# Altium PCB dvrk-s-pwm.PcbDoc (part 5 of 5)
Units mm, origin at the board's own origin, x right, y up, seen from the top; angles counter-clockwise.
Board outline 124 x 180 mm, 4 copper layers (Component Side, Ground Plane, Power Plane, Solder Side), stack 1.584 mm thick; 325 components, 238 nets, 1291 pads, 758 vias.
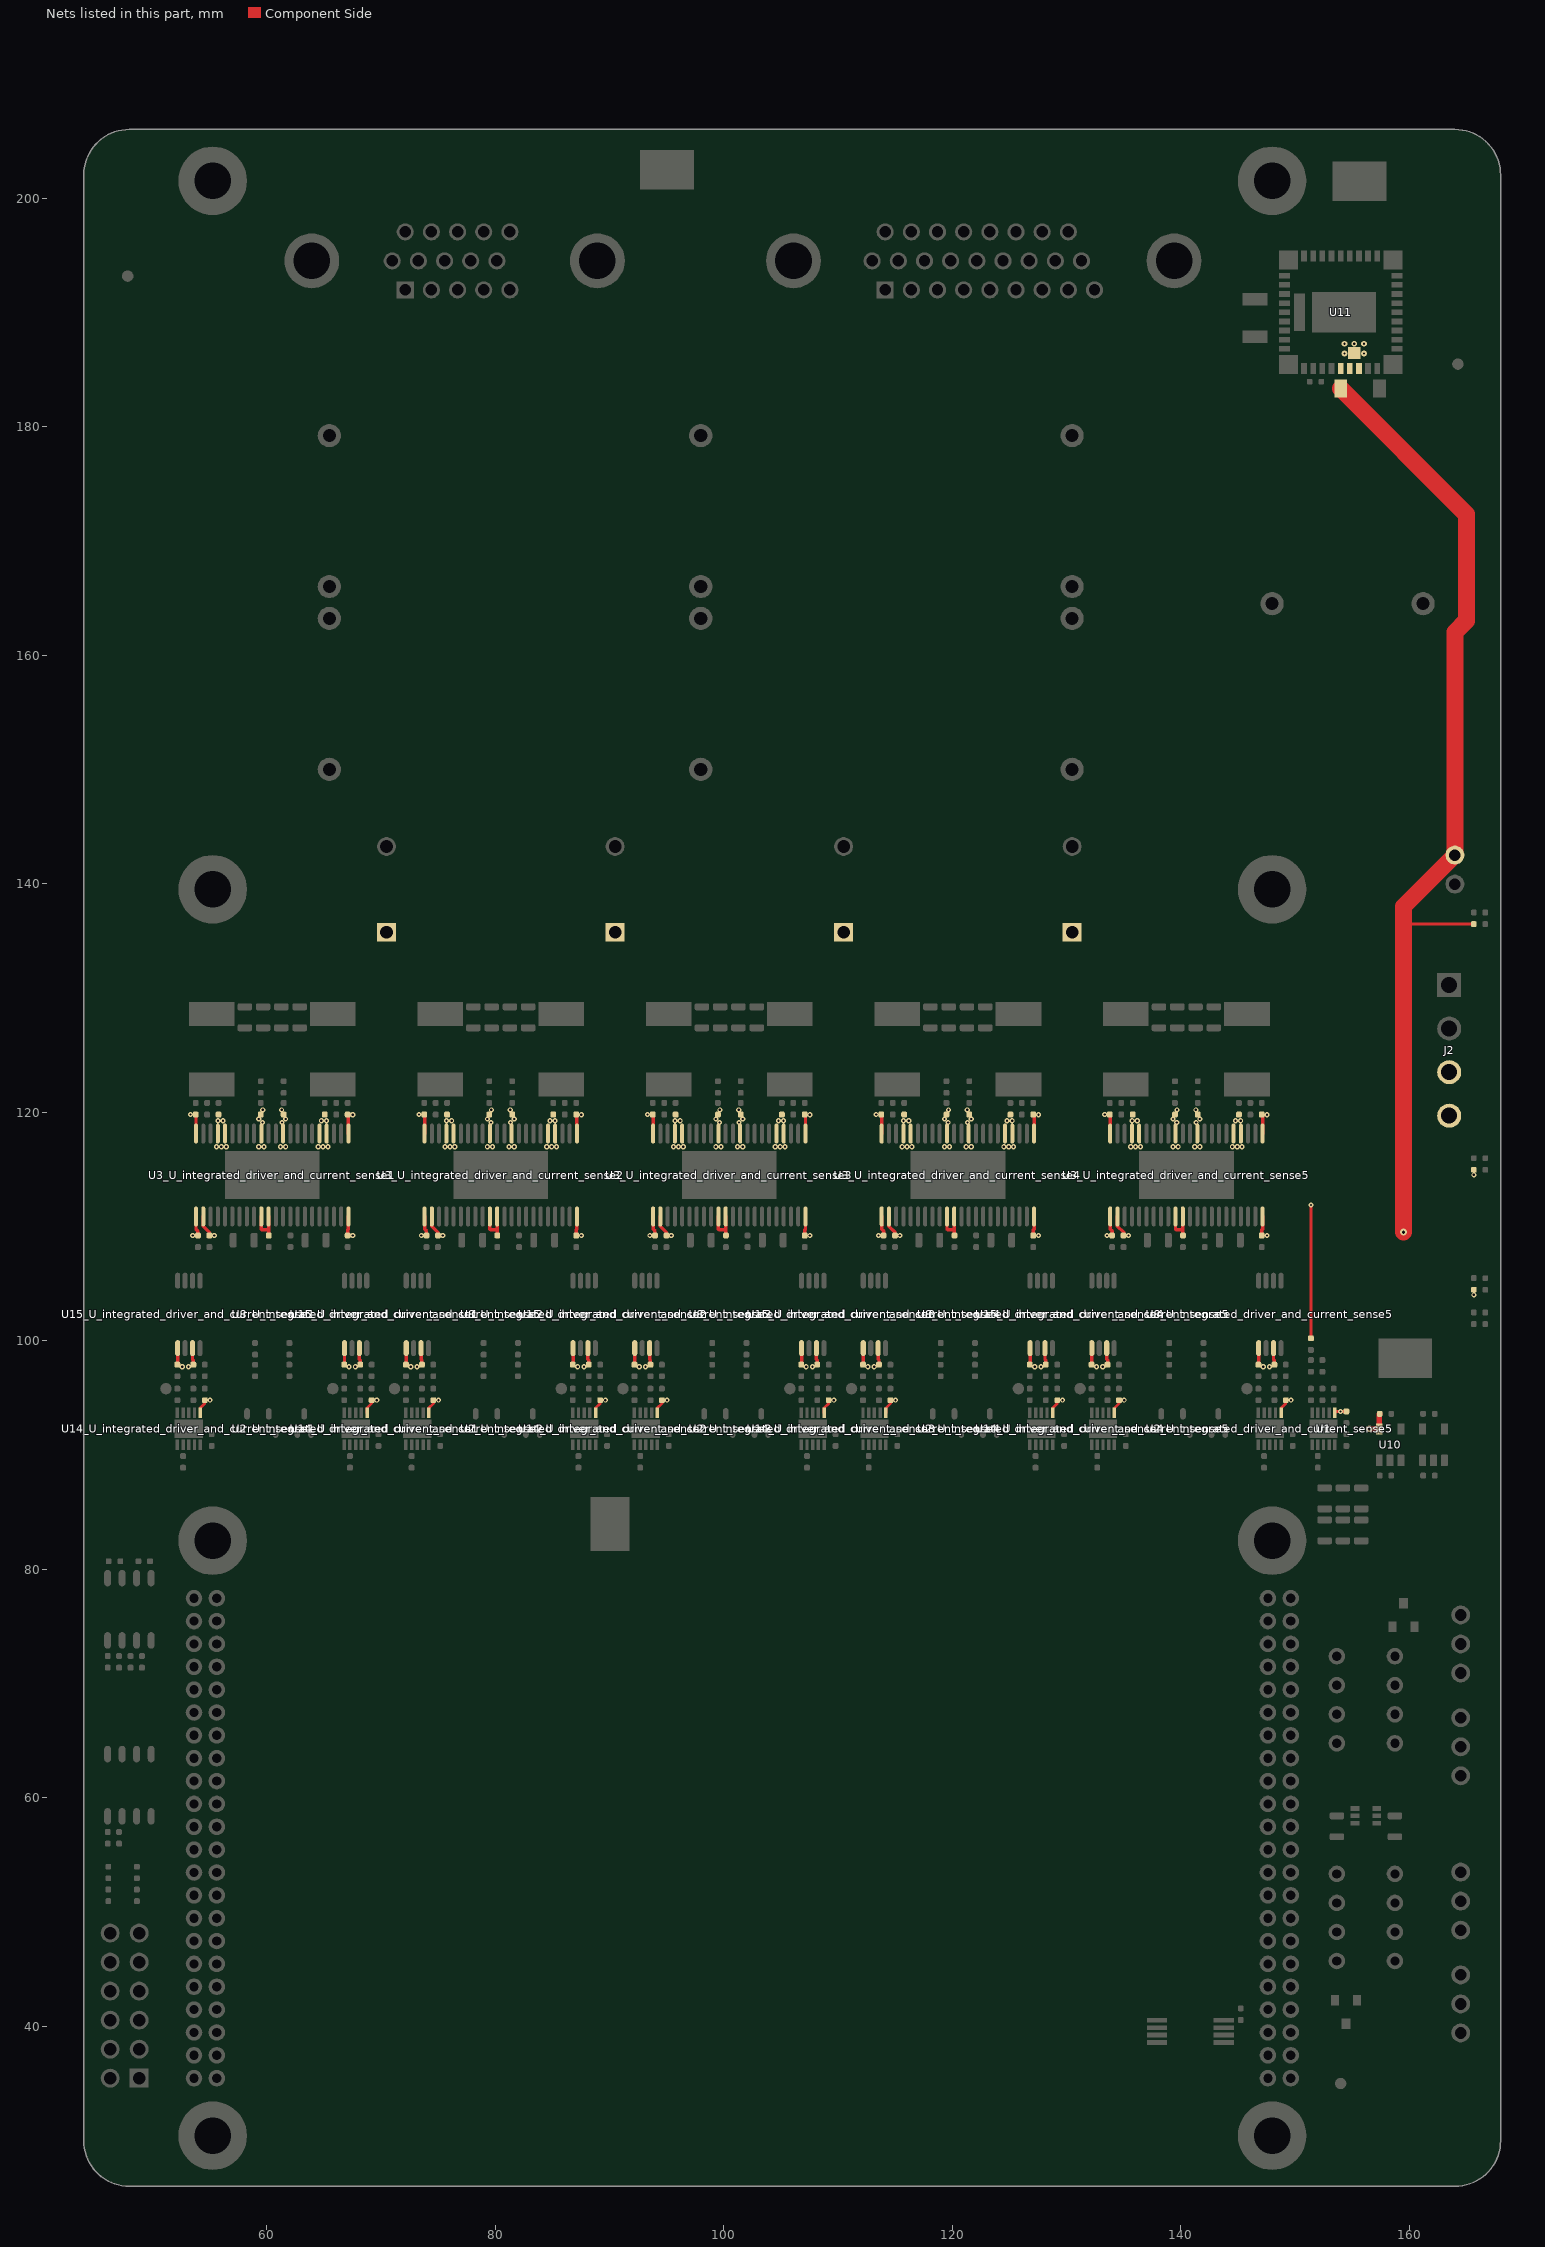
[diagram p7: the nets of this part, all layers, seen from the top]

## Via types
v1: diameter 0.45, hole 0.2, Component Side to Solder Side, tented both sides, 535 vias
v2: diameter 0.5, hole 0.2, Component Side to Solder Side, 186 vias
v3: diameter 1, hole 0.6, Component Side to Solder Side, tented both sides, 34 vias
v4: diameter 0.6, hole 0.3, Component Side to Solder Side, tented both sides, 3 vias

## Nets (pads, with @x,y where several pads share a name; then routed paths per layer and width w, separated by ;. In a path a pad name is that pad's centre, name@x,y a point inside that pad or via, vN(x,y) a via of type N, cw(c..) or ccw(c..) an arc to the next point about the centre after c; other vN are vias at no path point) (continued)
VDD12: C16_U_integrated_driver_and_current_sense1.1 C16_U_integrated_driver_and_current_sense2.1 C16_U_integrated_driver_and_current_sense3.1 C16_U_integrated_driver_and_current_sense4.1 C16_U_integrated_driver_and_current_sense5.1 C17_U_integrated_driver_and_current_sense1.1 C17_U_integrated_driver_and_current_sense2.1 C17_U_integrated_driver_and_current_sense3.1 C17_U_integrated_driver_and_current_sense4.1 C17_U_integrated_driver_and_current_sense5.1 C18_U_integrated_driver_and_current_sense1.1 C18_U_integrated_driver_and_current_sense2.1 C18_U_integrated_driver_and_current_sense3.1 C18_U_integrated_driver_and_current_sense4.1 C18_U_integrated_driver_and_current_sense5.1 C19_U_integrated_driver_and_current_sense1.1 C19_U_integrated_driver_and_current_sense2.1 C19_U_integrated_driver_and_current_sense3.1 C19_U_integrated_driver_and_current_sense4.1 C19_U_integrated_driver_and_current_sense5.1 C20_U_integrated_driver_and_current_sense1.1 C20_U_integrated_driver_and_current_sense2.1 C20_U_integrated_driver_and_current_sense3.1 C20_U_integrated_driver_and_current_sense4.1 C20_U_integrated_driver_and_current_sense5.1 C36.1 J3.1 R30.2 U3_U_integrated_driver_and_current_sense1.1 U3_U_integrated_driver_and_current_sense1.2 U3_U_integrated_driver_and_current_sense1.22 U3_U_integrated_driver_and_current_sense1.23 U3_U_integrated_driver_and_current_sense1.44 U3_U_integrated_driver_and_current_sense2.1 U3_U_integrated_driver_and_current_sense2.2 U3_U_integrated_driver_and_current_sense2.22 U3_U_integrated_driver_and_current_sense2.23 U3_U_integrated_driver_and_current_sense2.44 U3_U_integrated_driver_and_current_sense3.1 U3_U_integrated_driver_and_current_sense3.2 U3_U_integrated_driver_and_current_sense3.22 U3_U_integrated_driver_and_current_sense3.23 U3_U_integrated_driver_and_current_sense3.44 U3_U_integrated_driver_and_current_sense4.1 U3_U_integrated_driver_and_current_sense4.2 U3_U_integrated_driver_and_current_sense4.22 U3_U_integrated_driver_and_current_sense4.23 U3_U_integrated_driver_and_current_sense4.44 U3_U_integrated_driver_and_current_sense5.1 U3_U_integrated_driver_and_current_sense5.2 U3_U_integrated_driver_and_current_sense5.22 U3_U_integrated_driver_and_current_sense5.23 U3_U_integrated_driver_and_current_sense5.44 U11.26 U11.27 U11.28 U11.42 | length 130.3
  Component Side w0.25: 159.5,136.465 159.508,136.457 R30.2@165.655,136.457
  Component Side w0.3: C18_U_integrated_driver_and_current_sense1.1@53.8,119.792 53.833,119.76 U3_U_integrated_driver_and_current_sense1.44@53.833,118.125 ; U3_U_integrated_driver_and_current_sense1.1@53.833,110.875 53.833,109.767 54,109.6 C16_U_integrated_driver_and_current_sense1.1@54,109.208 ; U3_U_integrated_driver_and_current_sense1.2@54.468,110.875 54.468,110.032 55,109.5 C20_U_integrated_driver_and_current_sense1.1@55,109.208 ; C17_U_integrated_driver_and_current_sense1.1@67.1,109.208 67.1,109.7 67.168,109.767 U3_U_integrated_driver_and_current_sense1.22@67.168,110.875 ; C19_U_integrated_driver_and_current_sense1.1@67.1,119.792 67.168,119.725 U3_U_integrated_driver_and_current_sense1.23@67.168,118.125 ; C18_U_integrated_driver_and_current_sense2.1@73.8,119.792 73.833,119.76 U3_U_integrated_driver_and_current_sense2.44@73.832,118.125 ; U3_U_integrated_driver_and_current_sense2.1@73.832,110.875 73.833,109.767 74,109.6 C16_U_integrated_driver_and_current_sense2.1@74,109.208 ; U3_U_integrated_driver_and_current_sense2.2@74.467,110.875 74.468,110.032 75,109.5 C20_U_integrated_driver_and_current_sense2.1@75,109.208 ; C17_U_integrated_driver_and_current_sense2.1@87.1,109.208 87.1,109.7 87.168,109.767 U3_U_integrated_driver_and_current_sense2.22@87.167,110.875 ; C19_U_integrated_driver_and_current_sense2.1@87.1,119.792 87.168,119.725 U3_U_integrated_driver_and_current_sense2.23@87.167,118.125 ; C18_U_integrated_driver_and_current_sense3.1@93.8,119.792 93.833,119.76 U3_U_integrated_driver_and_current_sense3.44@93.832,118.125 ; U3_U_integrated_driver_and_current_sense3.1@93.832,110.875 93.833,109.767 94,109.6 C16_U_integrated_driver_and_current_sense3.1@94,109.208 ; U3_U_integrated_driver_and_current_sense3.2@94.467,110.875 94.468,110.032 95,109.5 C20_U_integrated_driver_and_current_sense3.1@95,109.208 ; C17_U_integrated_driver_and_current_sense3.1@107.1,109.208 107.1,109.7 107.168,109.767 U3_U_integrated_driver_and_current_sense3.22@107.167,110.875 ; C19_U_integrated_driver_and_current_sense3.1@107.1,119.792 107.168,119.725 U3_U_integrated_driver_and_current_sense3.23@107.167,118.125 ; C18_U_integrated_driver_and_current_sense4.1@113.8,119.792 113.833,119.76 U3_U_integrated_driver_and_current_sense4.44@113.832,118.125 ; U3_U_integrated_driver_and_current_sense4.1@113.832,110.875 113.833,109.767 114,109.6 C16_U_integrated_driver_and_current_sense4.1@114,109.208 ; U3_U_integrated_driver_and_current_sense4.2@114.467,110.875 114.468,110.032 115,109.5 C20_U_integrated_driver_and_current_sense4.1@115,109.208 ; C17_U_integrated_driver_and_current_sense4.1@127.1,109.208 127.1,109.7 127.168,109.767 U3_U_integrated_driver_and_current_sense4.22@127.167,110.875 ; C19_U_integrated_driver_and_current_sense4.1@127.1,119.792 127.168,119.725 U3_U_integrated_driver_and_current_sense4.23@127.167,118.125 ; C18_U_integrated_driver_and_current_sense5.1@133.8,119.792 133.833,119.76 U3_U_integrated_driver_and_current_sense5.44@133.832,118.125 ; U3_U_integrated_driver_and_current_sense5.1@133.832,110.875 133.833,109.767 134,109.6 C16_U_integrated_driver_and_current_sense5.1@134,109.208 ; U3_U_integrated_driver_and_current_sense5.2@134.467,110.875 134.468,110.032 135,109.5 C20_U_integrated_driver_and_current_sense5.1@135,109.208 ; C17_U_integrated_driver_and_current_sense5.1@147.1,109.208 147.1,109.7 147.168,109.767 U3_U_integrated_driver_and_current_sense5.22@147.167,110.875 ; C19_U_integrated_driver_and_current_sense5.1@147.1,119.792 147.168,119.725 U3_U_integrated_driver_and_current_sense5.23@147.167,118.125
  Component Side w1.5: C36.1@154,183.325 165,172.325 165,163 164,162 J3.1@164,142.5 159.5,138 159.5,136.465 v4(159.5,109.5)
  other v1: 53.55,109.2 55.425,109.2 67.55,109.2 73.55,109.2 75.425,109.2 87.55,109.2 93.55,109.2 95.425,109.2 107.55,109.2 113.55,109.2 115.425,109.2 127.55,109.2 133.55,109.2 135.425,109.2 147.55,109.2 67.55,119.775 87.55,119.775 107.55,119.775 127.55,119.775 147.55,119.775 53.35,119.8 73.35,119.8 93.35,119.8 113.35,119.8 133.35,119.8
  other v2: 154.327,186.395 156.047,186.395 154.327,187.245 155.177,187.245 156.047,187.245
VDDA: C4.2 C5_U_integrated_driver_and_current_sense1.2 C5_U_integrated_driver_and_current_sense2.2 C5_U_integrated_driver_and_current_sense3.2 C5_U_integrated_driver_and_current_sense4.2 C5_U_integrated_driver_and_current_sense5.2 C9_U_integrated_driver_and_current_sense1.2 C9_U_integrated_driver_and_current_sense2.2 C9_U_integrated_driver_and_current_sense3.2 C9_U_integrated_driver_and_current_sense4.2 C9_U_integrated_driver_and_current_sense5.2 C10_U_integrated_driver_and_current_sense1.2 C10_U_integrated_driver_and_current_sense2.2 C10_U_integrated_driver_and_current_sense3.2 C10_U_integrated_driver_and_current_sense4.2 C10_U_integrated_driver_and_current_sense5.2 C29_U_integrated_driver_and_current_sense1.2 C29_U_integrated_driver_and_current_sense2.2 C29_U_integrated_driver_and_current_sense3.2 C29_U_integrated_driver_and_current_sense4.2 C29_U_integrated_driver_and_current_sense5.2 C35.2 C40_U_integrated_driver_and_current_sense1.2 C40_U_integrated_driver_and_current_sense2.2 C40_U_integrated_driver_and_current_sense3.2 C40_U_integrated_driver_and_current_sense4.2 C40_U_integrated_driver_and_current_sense5.2 C41_U_integrated_driver_and_current_sense1.2 C41_U_integrated_driver_and_current_sense2.2 C41_U_integrated_driver_and_current_sense3.2 C41_U_integrated_driver_and_current_sense4.2 C41_U_integrated_driver_and_current_sense5.2 R31.2 U1.1 U2_U_integrated_driver_and_current_sense1.1 U2_U_integrated_driver_and_current_sense2.1 U2_U_integrated_driver_and_current_sense3.1 U2_U_integrated_driver_and_current_sense4.1 U2_U_integrated_driver_and_current_sense5.1 U8_U_integrated_driver_and_current_sense1.5 U8_U_integrated_driver_and_current_sense1.7 U8_U_integrated_driver_and_current_sense2.5 U8_U_integrated_driver_and_current_sense2.7 U8_U_integrated_driver_and_current_sense3.5 U8_U_integrated_driver_and_current_sense3.7 U8_U_integrated_driver_and_current_sense4.5 U8_U_integrated_driver_and_current_sense4.7 U8_U_integrated_driver_and_current_sense5.5 U8_U_integrated_driver_and_current_sense5.7 U10.5 U14_U_integrated_driver_and_current_sense1.1 U14_U_integrated_driver_and_current_sense2.1 U14_U_integrated_driver_and_current_sense3.1 U14_U_integrated_driver_and_current_sense4.1 U14_U_integrated_driver_and_current_sense5.1 U15_U_integrated_driver_and_current_sense1.5 U15_U_integrated_driver_and_current_sense1.7 U15_U_integrated_driver_and_current_sense2.5 U15_U_integrated_driver_and_current_sense2.7 U15_U_integrated_driver_and_current_sense3.5 U15_U_integrated_driver_and_current_sense3.7 U15_U_integrated_driver_and_current_sense4.5 U15_U_integrated_driver_and_current_sense4.7 U15_U_integrated_driver_and_current_sense5.5 U15_U_integrated_driver_and_current_sense5.7 | length 45.1
  Component Side w0.25: U14_U_integrated_driver_and_current_sense1.1@54.2,93.702 54.2,94.1 54.6,94.5 C40_U_integrated_driver_and_current_sense1.2@54.6,94.792 ; U2_U_integrated_driver_and_current_sense1.1@68.8,93.702 68.8,94.1 69.2,94.5 C9_U_integrated_driver_and_current_sense1.2@69.2,94.792 ; U14_U_integrated_driver_and_current_sense2.1@74.2,93.702 74.2,94.1 74.6,94.5 C40_U_integrated_driver_and_current_sense2.2@74.6,94.792 ; U2_U_integrated_driver_and_current_sense2.1@88.8,93.702 88.8,94.1 89.2,94.5 C9_U_integrated_driver_and_current_sense2.2@89.2,94.792 ; U14_U_integrated_driver_and_current_sense3.1@94.2,93.702 94.2,94.1 94.6,94.5 C40_U_integrated_driver_and_current_sense3.2@94.6,94.792 ; U2_U_integrated_driver_and_current_sense3.1@108.8,93.702 108.8,94.1 109.2,94.5 C9_U_integrated_driver_and_current_sense3.2@109.2,94.792 ; U14_U_integrated_driver_and_current_sense4.1@114.2,93.702 114.2,94.1 114.6,94.5 C40_U_integrated_driver_and_current_sense4.2@114.6,94.792 ; U2_U_integrated_driver_and_current_sense4.1@128.8,93.702 128.8,94.1 129.2,94.5 C9_U_integrated_driver_and_current_sense4.2@129.2,94.792 ; U14_U_integrated_driver_and_current_sense5.1@134.2,93.702 134.2,94.1 134.6,94.5 C40_U_integrated_driver_and_current_sense5.2@134.6,94.792 ; U2_U_integrated_driver_and_current_sense5.1@148.8,93.702 148.8,94.1 149.2,94.5 C9_U_integrated_driver_and_current_sense5.2@149.2,94.792
  Component Side w0.3: C29_U_integrated_driver_and_current_sense1.2@52.2,97.908 52.225,97.933 U15_U_integrated_driver_and_current_sense1.5@52.225,99.35 ; U15_U_integrated_driver_and_current_sense1.7@53.525,99.35 53.525,98.375 53.6,98.3 C41_U_integrated_driver_and_current_sense1.2@53.6,97.908 ; C5_U_integrated_driver_and_current_sense1.2@66.8,97.908 66.825,97.933 U8_U_integrated_driver_and_current_sense1.5@66.825,99.35 ; U8_U_integrated_driver_and_current_sense1.7@68.125,99.35 68.125,98.375 68.2,98.3 C10_U_integrated_driver_and_current_sense1.2@68.2,97.908 ; C29_U_integrated_driver_and_current_sense2.2@72.2,97.908 72.225,97.933 U15_U_integrated_driver_and_current_sense2.5@72.225,99.35 ; U15_U_integrated_driver_and_current_sense2.7@73.525,99.35 73.525,98.375 73.6,98.3 C41_U_integrated_driver_and_current_sense2.2@73.6,97.908 ; C5_U_integrated_driver_and_current_sense2.2@86.8,97.908 86.825,97.933 U8_U_integrated_driver_and_current_sense2.5@86.825,99.35 ; U8_U_integrated_driver_and_current_sense2.7@88.125,99.35 88.125,98.375 88.2,98.3 C10_U_integrated_driver_and_current_sense2.2@88.2,97.908 ; C29_U_integrated_driver_and_current_sense3.2@92.2,97.908 92.225,97.933 U15_U_integrated_driver_and_current_sense3.5@92.225,99.35 ; U15_U_integrated_driver_and_current_sense3.7@93.525,99.35 93.525,98.375 93.6,98.3 C41_U_integrated_driver_and_current_sense3.2@93.6,97.908 ; C5_U_integrated_driver_and_current_sense3.2@106.8,97.908 106.825,97.933 U8_U_integrated_driver_and_current_sense3.5@106.825,99.35 ; U8_U_integrated_driver_and_current_sense3.7@108.125,99.35 108.125,98.375 108.2,98.3 C10_U_integrated_driver_and_current_sense3.2@108.2,97.908 ; C29_U_integrated_driver_and_current_sense4.2@112.2,97.908 112.225,97.933 U15_U_integrated_driver_and_current_sense4.5@112.225,99.35 ; U15_U_integrated_driver_and_current_sense4.7@113.525,99.35 113.525,98.375 113.6,98.3 C41_U_integrated_driver_and_current_sense4.2@113.6,97.908 ; C5_U_integrated_driver_and_current_sense4.2@126.8,97.908 126.825,97.933 U8_U_integrated_driver_and_current_sense4.5@126.825,99.35 ; U8_U_integrated_driver_and_current_sense4.7@128.125,99.35 128.125,98.375 128.2,98.3 C10_U_integrated_driver_and_current_sense4.2@128.2,97.908 ; C29_U_integrated_driver_and_current_sense5.2@132.2,97.908 132.225,97.933 U15_U_integrated_driver_and_current_sense5.5@132.225,99.35 ; U15_U_integrated_driver_and_current_sense5.7@133.525,99.35 133.525,98.375 133.6,98.3 C41_U_integrated_driver_and_current_sense5.2@133.6,97.908 ; C5_U_integrated_driver_and_current_sense5.2@146.8,97.908 146.825,97.933 U8_U_integrated_driver_and_current_sense5.5@146.825,99.35 ; U8_U_integrated_driver_and_current_sense5.7@148.125,99.35 148.125,98.375 148.2,98.3 C10_U_integrated_driver_and_current_sense5.2@148.2,97.908 ; U1.1@153.5,93.702 153.606,93.808 v1(153.983,93.808) C4.2@154.5,93.808
  Component Side w0.5: v4(156.525,92.3) 157.35,92.3 U10.5@157.375,92.275 157.375,93.558 C35.2@157.417,93.6
  other v1: 55.05,94.8 69.65,94.8 75.05,94.8 89.65,94.8 95.05,94.8 109.65,94.8 115.05,94.8 129.65,94.8 135.05,94.8 149.65,94.8 52.625,97.725 53.175,97.725 67.225,97.725 67.775,97.725 72.625,97.725 73.175,97.725 87.225,97.725 87.775,97.725 92.625,97.725 93.175,97.725 107.225,97.725 107.775,97.725 112.625,97.725 113.175,97.725 127.225,97.725 127.775,97.725 132.625,97.725 133.175,97.725 147.225,97.725 147.775,97.725 165.655,104.015
VM: C21_U_integrated_driver_and_current_sense1.1 C21_U_integrated_driver_and_current_sense2.1 C21_U_integrated_driver_and_current_sense3.1 C21_U_integrated_driver_and_current_sense4.1 C21_U_integrated_driver_and_current_sense5.1 C22_U_integrated_driver_and_current_sense1.1 C22_U_integrated_driver_and_current_sense2.1 C22_U_integrated_driver_and_current_sense3.1 C22_U_integrated_driver_and_current_sense4.1 C22_U_integrated_driver_and_current_sense5.1 C23_U_integrated_driver_and_current_sense1.1 C23_U_integrated_driver_and_current_sense2.1 C23_U_integrated_driver_and_current_sense3.1 C23_U_integrated_driver_and_current_sense4.1 C23_U_integrated_driver_and_current_sense5.1 C24_U_integrated_driver_and_current_sense1.1 C24_U_integrated_driver_and_current_sense2.1 C24_U_integrated_driver_and_current_sense3.1 C24_U_integrated_driver_and_current_sense4.1 C24_U_integrated_driver_and_current_sense5.1 C42.1 C43.1 C44.1 C45.1 J2.3 J2.4 R9.2 R29.2 U3_U_integrated_driver_and_current_sense1.26 U3_U_integrated_driver_and_current_sense1.27 U3_U_integrated_driver_and_current_sense1.32 U3_U_integrated_driver_and_current_sense1.35 U3_U_integrated_driver_and_current_sense1.40 U3_U_integrated_driver_and_current_sense1.41 U3_U_integrated_driver_and_current_sense2.26 U3_U_integrated_driver_and_current_sense2.27 U3_U_integrated_driver_and_current_sense2.32 U3_U_integrated_driver_and_current_sense2.35 U3_U_integrated_driver_and_current_sense2.40 U3_U_integrated_driver_and_current_sense2.41 U3_U_integrated_driver_and_current_sense3.26 U3_U_integrated_driver_and_current_sense3.27 U3_U_integrated_driver_and_current_sense3.32 U3_U_integrated_driver_and_current_sense3.35 U3_U_integrated_driver_and_current_sense3.40 U3_U_integrated_driver_and_current_sense3.41 U3_U_integrated_driver_and_current_sense4.26 U3_U_integrated_driver_and_current_sense4.27 U3_U_integrated_driver_and_current_sense4.32 U3_U_integrated_driver_and_current_sense4.35 U3_U_integrated_driver_and_current_sense4.40 U3_U_integrated_driver_and_current_sense4.41 U3_U_integrated_driver_and_current_sense5.26 U3_U_integrated_driver_and_current_sense5.27 U3_U_integrated_driver_and_current_sense5.32 U3_U_integrated_driver_and_current_sense5.35 U3_U_integrated_driver_and_current_sense5.40 U3_U_integrated_driver_and_current_sense5.41 | length 11.7
  Component Side w0.25: R9.2@151.4,100.208 v1(151.4,111.875)
  other v1: 165.655,114.515 55.625,116.975 56.05,116.975 56.475,116.975 59.325,116.975 59.775,116.975 61.225,116.975 61.675,116.975 64.525,116.975 64.95,116.975 65.375,116.975 75.625,116.975 76.05,116.975 76.475,116.975 79.325,116.975 79.775,116.975 81.225,116.975 81.675,116.975 84.525,116.975 84.95,116.975 85.375,116.975 95.625,116.975 96.05,116.975 96.475,116.975 99.325,116.975 99.775,116.975 101.225,116.975 101.675,116.975 104.525,116.975 104.95,116.975 105.375,116.975 115.625,116.975 116.05,116.975 116.475,116.975 119.325,116.975 119.775,116.975 121.225,116.975 121.675,116.975 124.525,116.975 124.95,116.975 125.375,116.975 135.625,116.975 136.05,116.975 136.475,116.975 139.325,116.975 139.775,116.975 141.225,116.975 141.675,116.975 144.525,116.975 144.95,116.975 145.375,116.975 59.65,119.1 61.35,119.1 79.65,119.1 81.35,119.1 99.65,119.1 101.35,119.1 119.65,119.1 121.35,119.1 139.65,119.1 141.35,119.1 55.75,119.25 56.2,119.25 64.8,119.25 65.25,119.25 75.75,119.25 76.2,119.25 84.8,119.25 85.25,119.25 95.75,119.25 96.2,119.25 104.8,119.25 105.25,119.25 115.75,119.25 116.2,119.25 124.8,119.25 125.25,119.25 135.75,119.25 136.2,119.25 144.8,119.25 145.25,119.25 59.325,119.4 61.675,119.4 79.325,119.4 81.675,119.4 99.325,119.4 101.675,119.4 119.325,119.4 121.675,119.4 139.325,119.4 141.675,119.4 59.675,120.2 61.325,120.2 79.675,120.2 81.325,120.2 99.675,120.2 101.325,120.2 119.675,120.2 121.325,120.2 139.675,120.2 141.325,120.2
VREG_U_integrated_driver_and_current_sense1: C15_U_integrated_driver_and_current_sense1.1 U3_U_integrated_driver_and_current_sense1.10 U3_U_integrated_driver_and_current_sense1.11 | length 3.5
  Component Side w0.3: U3_U_integrated_driver_and_current_sense1.10@59.548,110.875 59.548,109.752 59.6,109.7 60.183,109.7 ; U3_U_integrated_driver_and_current_sense1.11@60.183,110.875 60.183,109.7 ; C15_U_integrated_driver_and_current_sense1.1@60.2,109.208 60.183,109.225 60.183,109.7
VREG_U_integrated_driver_and_current_sense2: C15_U_integrated_driver_and_current_sense2.1 U3_U_integrated_driver_and_current_sense2.10 U3_U_integrated_driver_and_current_sense2.11 | length 3.5
  Component Side w0.3: U3_U_integrated_driver_and_current_sense2.10@79.547,110.875 79.548,109.752 79.6,109.7 80.183,109.7 ; U3_U_integrated_driver_and_current_sense2.11@80.182,110.875 80.183,109.7 ; C15_U_integrated_driver_and_current_sense2.1@80.2,109.208 80.183,109.225 80.183,109.7
VREG_U_integrated_driver_and_current_sense3: C15_U_integrated_driver_and_current_sense3.1 U3_U_integrated_driver_and_current_sense3.10 U3_U_integrated_driver_and_current_sense3.11 | length 3.5
  Component Side w0.3: U3_U_integrated_driver_and_current_sense3.10@99.547,110.875 99.548,109.752 99.6,109.7 100.183,109.7 ; U3_U_integrated_driver_and_current_sense3.11@100.182,110.875 100.183,109.7 ; C15_U_integrated_driver_and_current_sense3.1@100.2,109.208 100.183,109.225 100.183,109.7
VREG_U_integrated_driver_and_current_sense4: C15_U_integrated_driver_and_current_sense4.1 U3_U_integrated_driver_and_current_sense4.10 U3_U_integrated_driver_and_current_sense4.11 | length 3.5
  Component Side w0.3: U3_U_integrated_driver_and_current_sense4.10@119.547,110.875 119.548,109.752 119.6,109.7 120.183,109.7 ; U3_U_integrated_driver_and_current_sense4.11@120.182,110.875 120.183,109.7 ; C15_U_integrated_driver_and_current_sense4.1@120.2,109.208 120.183,109.225 120.183,109.7
VREG_U_integrated_driver_and_current_sense5: C15_U_integrated_driver_and_current_sense5.1 U3_U_integrated_driver_and_current_sense5.10 U3_U_integrated_driver_and_current_sense5.11 | length 3.5
  Component Side w0.3: U3_U_integrated_driver_and_current_sense5.10@139.547,110.875 139.548,109.752 139.6,109.7 140.183,109.7 ; U3_U_integrated_driver_and_current_sense5.11@140.182,110.875 140.183,109.7 ; C15_U_integrated_driver_and_current_sense5.1@140.2,109.208 140.183,109.225 140.183,109.7
pads on no net: D1.3 D2.3 FID1.1 FID2.1 FID3.1 J1.3 J1.6 J1.7 J1.8 J1.9 J1.10 J1.13 J8.9 J8.16 J8.17 J8.18 U3_U_integrated_driver_and_current_sense1.3 U3_U_integrated_driver_and_current_sense1.4 U3_U_integrated_driver_and_current_sense1.19 U3_U_integrated_driver_and_current_sense1.20 U3_U_integrated_driver_and_current_sense1.25 U3_U_integrated_driver_and_current_sense1.42 U3_U_integrated_driver_and_current_sense2.3 U3_U_integrated_driver_and_current_sense2.4 U3_U_integrated_driver_and_current_sense2.19 U3_U_integrated_driver_and_current_sense2.20 U3_U_integrated_driver_and_current_sense2.25 U3_U_integrated_driver_and_current_sense2.42 U3_U_integrated_driver_and_current_sense3.3 U3_U_integrated_driver_and_current_sense3.4 U3_U_integrated_driver_and_current_sense3.19 U3_U_integrated_driver_and_current_sense3.20 U3_U_integrated_driver_and_current_sense3.25 U3_U_integrated_driver_and_current_sense3.42 U3_U_integrated_driver_and_current_sense4.3 U3_U_integrated_driver_and_current_sense4.4 U3_U_integrated_driver_and_current_sense4.19 U3_U_integrated_driver_and_current_sense4.20 U3_U_integrated_driver_and_current_sense4.25 U3_U_integrated_driver_and_current_sense4.42 U3_U_integrated_driver_and_current_sense5.3 U3_U_integrated_driver_and_current_sense5.4 U3_U_integrated_driver_and_current_sense5.19 U3_U_integrated_driver_and_current_sense5.20 U3_U_integrated_driver_and_current_sense5.25 U3_U_integrated_driver_and_current_sense5.42 U11.6 U11.9 U11.10 U11.21 U11.25 U11.34 U11.35 U11.36 U11.37 U11.38 U11.39 U11.40 U13.2 U13.7

## Polygon pours and split planes (outlines as drawn)
GND on Solder Side "GND_BOTTOM_HEAT" (solid, pour order 6): 50.5,107.5 50.5,205.5 167.5,205.5 167.5,107.5
VDD1.8 on Solder Side "VDD1.8_L04_P002" (solid, pour order 2): 167.5,91.5 50.5,91.5 50.5,96 167.5,96
VDD on Power Plane (split plane): 167.49,30 167.491,29.984 167.483,29.751 167.456,29.503 167.412,29.258 167.35,29.016 167.272,28.78 167.176,28.55 167.065,28.327 166.937,28.112 166.795,27.908 166.639,27.713 166.469,27.531 166.287,27.361 166.092,27.205 165.888,27.063 165.673,26.935 165.45,26.824 165.22,26.728 164.984,26.65 164.742,26.588 164.497,26.544 164.249,26.517 164.016,26.509 164,26.51 48,26.51 47.984,26.509 47.751,26.517 47.503,26.544 47.258,26.588 47.016,26.65 46.78,26.728 46.55,26.824 46.327,26.935 46.112,27.063 45.908,27.205 45.713,27.361 45.531,27.531 45.361,27.713 45.205,27.908 45.063,28.112 44.935,28.327 44.824,28.55 44.728,28.78 44.65,29.016 44.588,29.258 44.544,29.503 44.517,29.751 44.509,29.984 44.51,30 44.51,90.948 167.49,90.948
VM on Power Plane (split plane): 213 vertices, not listed, extent 44.509,111.252 167.491,205.491
VDDA on Power Plane (split plane): 167.49,91.452 44.51,91.452 44.51,107.248 167.49,107.248
VDD12 on Power Plane (split plane): 165 vertices, not listed, extent 44.51,107.752 167.49,120.748
GND on Ground Plane (split plane): 164.249,205.483 164.497,205.456 164.742,205.412 164.984,205.35 165.22,205.272 165.45,205.176 165.673,205.065 165.888,204.937 166.092,204.795 166.287,204.639 166.469,204.469 166.639,204.287 166.795,204.092 166.937,203.888 167.065,203.673 167.176,203.45 167.272,203.22 167.35,202.984 167.412,202.742 167.456,202.497 167.483,202.249 167.491,202.016 167.49,202 167.49,30 167.491,29.984 167.483,29.751 167.456,29.503 167.412,29.258 167.35,29.016 167.272,28.78 167.176,28.55 167.065,28.327 166.937,28.112 166.795,27.908 166.639,27.713 166.469,27.531 166.287,27.361 166.092,27.205 165.888,27.063 165.673,26.935 165.45,26.824 165.22,26.728 164.984,26.65 164.742,26.588 164.497,26.544 164.249,26.517 164.016,26.509 164,26.51 48,26.51 47.984,26.509 47.751,26.517 47.503,26.544 47.258,26.588 47.016,26.65 46.78,26.728 46.55,26.824 46.327,26.935 46.112,27.063 45.908,27.205 45.713,27.361 45.531,27.531 45.361,27.713 45.205,27.908 45.063,28.112 44.935,28.327 44.824,28.55 44.728,28.78 44.65,29.016 44.588,29.258 44.544,29.503 44.517,29.751 44.509,29.984 44.51,30 44.51,202 44.509,202.016 44.517,202.249 44.544,202.497 44.588,202.742 44.65,202.984 44.728,203.22 44.824,203.45 44.935,203.673 45.063,203.888 45.205,204.092 45.361,204.287 45.531,204.469 45.713,204.639 45.908,204.795 46.112,204.937 46.327,205.065 46.55,205.176 46.78,205.272 47.016,205.35 47.258,205.412 47.503,205.456 47.751,205.483 47.984,205.491 48,205.49 164,205.49 164.016,205.491
AGND_PS_PSM on Ground Plane (split plane): 160.248,192.752 148.1,192.752 148.035,192.744 147.974,192.718 147.922,192.678 147.882,192.626 147.856,192.565 147.848,192.5 147.848,184.8 147.856,184.735 147.882,184.674 147.922,184.622 147.974,184.582 148.035,184.556 148.1,184.548 152.448,184.548 152.448,183.352 147.152,183.352 147.152,196.348 160.248,196.348

## Keep-outs
Keep-Out Layer:
  the board outline again, w0.01

## Other copper
Component Side:
  rectangle net VM: 135.575,116.75 136.55,117.4
  rectangle net GND: 137.475,118.825 138.45,119.7
  rectangle net GND: 137.475,116.55 138.45,117.4
  rectangle net VM: 139.375,118.825 139.725,119.625
  region net VM: 141.625,119.625 141.275,119.625 141.275,118.825 141.625,118.825
  region net GND: 143.525,117.4 142.55,117.4 142.55,116.55 143.525,116.55
  region net GND: 143.525,119.7 142.55,119.7 142.55,118.825 143.525,118.825
  region net VM: 145.425,117.4 144.45,117.4 144.45,116.75 145.425,116.75
  rectangle net VM: 115.575,116.75 116.55,117.4
  rectangle net GND: 117.475,118.825 118.45,119.7
  rectangle net GND: 117.475,116.55 118.45,117.4
  rectangle net VM: 119.375,118.825 119.725,119.625
  region net VM: 121.625,119.625 121.275,119.625 121.275,118.825 121.625,118.825
  region net GND: 123.525,117.4 122.55,117.4 122.55,116.55 123.525,116.55
  region net GND: 123.525,119.7 122.55,119.7 122.55,118.825 123.525,118.825
  region net VM: 125.425,117.4 124.45,117.4 124.45,116.75 125.425,116.75
  rectangle net VM: 95.575,116.75 96.55,117.4
  rectangle net GND: 97.475,118.825 98.45,119.7
  rectangle net GND: 97.475,116.55 98.45,117.4
  rectangle net VM: 99.375,118.825 99.725,119.625
  region net VM: 101.625,119.625 101.275,119.625 101.275,118.825 101.625,118.825
  region net GND: 103.525,117.4 102.55,117.4 102.55,116.55 103.525,116.55
  region net GND: 103.525,119.7 102.55,119.7 102.55,118.825 103.525,118.825
  region net VM: 105.425,117.4 104.45,117.4 104.45,116.75 105.425,116.75
  rectangle net VM: 75.575,116.75 76.55,117.4
  rectangle net GND: 77.475,118.825 78.45,119.7
  rectangle net GND: 77.475,116.55 78.45,117.4
  rectangle net VM: 79.375,118.825 79.725,119.625
  region net VM: 81.625,119.625 81.275,119.625 81.275,118.825 81.625,118.825
  region net GND: 83.525,117.4 82.55,117.4 82.55,116.55 83.525,116.55
  region net GND: 83.525,119.7 82.55,119.7 82.55,118.825 83.525,118.825
  region net VM: 85.425,117.4 84.45,117.4 84.45,116.75 85.425,116.75
  region net VM: 65.425,117.4 64.45,117.4 64.45,116.75 65.425,116.75
  region net GND: 63.525,119.7 62.55,119.7 62.55,118.825 63.525,118.825
  region net GND: 63.525,117.4 62.55,117.4 62.55,116.55 63.525,116.55
  region net VM: 61.625,119.625 61.275,119.625 61.275,118.825 61.625,118.825
  rectangle net VM: 59.375,118.825 59.725,119.625
  rectangle net GND: 57.475,116.55 58.45,117.4
  rectangle net GND: 57.475,118.825 58.45,119.7
  rectangle net VM: 55.575,116.75 56.55,117.4
  region net VM: 135.55,119.75 135.55,118.85 136.525,118.85 136.55,118.875 136.55,119.225 136.025,119.75
  region net GND: 132.5,116.6 148.5,116.6 148.5,112 132.5,112
  region net VM: 139.3,117.2 139.375,117.275 139.375,117.425 139.725,117.425 139.725,117.275 139.8,117.2 139.8,116.75 139.3,116.75
  region net VM: 141.7,117.2 141.625,117.275 141.625,117.425 141.275,117.425 141.275,117.275 141.2,117.2 141.2,116.75 141.7,116.75
  region net VM: 145.45,119.75 145.45,118.85 144.475,118.85 144.45,118.875 144.45,119.225 144.975,119.75
  region net VM: 115.55,119.75 115.55,118.85 116.525,118.85 116.55,118.875 116.55,119.225 116.025,119.75
  region net GND: 112.5,116.6 128.5,116.6 128.5,112 112.5,112
  region net VM: 119.3,117.2 119.375,117.275 119.375,117.425 119.725,117.425 119.725,117.275 119.8,117.2 119.8,116.75 119.3,116.75
  region net VM: 121.7,117.2 121.625,117.275 121.625,117.425 121.275,117.425 121.275,117.275 121.2,117.2 121.2,116.75 121.7,116.75
  region net VM: 125.45,119.75 125.45,118.85 124.475,118.85 124.45,118.875 124.45,119.225 124.975,119.75
  region net VM: 95.55,119.75 95.55,118.85 96.525,118.85 96.55,118.875 96.55,119.225 96.025,119.75
  region net GND: 92.5,116.6 108.5,116.6 108.5,112 92.5,112
  region net VM: 99.3,117.2 99.375,117.275 99.375,117.425 99.725,117.425 99.725,117.275 99.8,117.2 99.8,116.75 99.3,116.75
  region net VM: 101.7,117.2 101.625,117.275 101.625,117.425 101.275,117.425 101.275,117.275 101.2,117.2 101.2,116.75 101.7,116.75
  region net VM: 105.45,119.75 105.45,118.85 104.475,118.85 104.45,118.875 104.45,119.225 104.975,119.75
  region net VM: 75.55,119.75 75.55,118.85 76.525,118.85 76.55,118.875 76.55,119.225 76.025,119.75
  region net GND: 72.5,116.6 88.5,116.6 88.5,112 72.5,112
  region net VM: 79.3,117.2 79.375,117.275 79.375,117.425 79.725,117.425 79.725,117.275 79.8,117.2 79.8,116.75 79.3,116.75
  region net VM: 81.7,117.2 81.625,117.275 81.625,117.425 81.275,117.425 81.275,117.275 81.2,117.2 81.2,116.75 81.7,116.75
  region net VM: 85.45,119.75 85.45,118.85 84.475,118.85 84.45,118.875 84.45,119.225 84.975,119.75
  region net VM: 65.45,119.75 65.45,118.85 64.475,118.85 64.45,118.875 64.45,119.225 64.975,119.75
  region net VM: 61.7,117.2 61.625,117.275 61.625,117.425 61.275,117.425 61.275,117.275 61.2,117.2 61.2,116.75 61.7,116.75
  region net VM: 59.3,117.2 59.375,117.275 59.375,117.425 59.725,117.425 59.725,117.275 59.8,117.2 59.8,116.75 59.3,116.75
  region net VDD12: 153.8,187.5 153.8,182.6 155.9,182.6 155.9,187.5
  region net VDD6: 150.9,192.7 145.4,192.7 145.4,189.8 148.6,189.8 148.6,188.1 150.9,188.1
  region net NetC14_U_integrated_driver_and_current_sense5_1: 136.3,121.4 136.3,119.8 136.825,119.275 137.2,119.275 137.2,121.4
  region net NetC13_U_integrated_driver_and_current_sense5_1: 137.4,119.85 137.4,126.7 140.3,126.7 140.3,123.2 138.8,123.2 138.8,119.85
  region net NetC11_U_integrated_driver_and_current_sense5_1: 144.6,121.4 144.6,119.7 144.175,119.275 143.8,119.275 143.8,121.4
  region net NetC13_U_integrated_driver_and_current_sense5_1: 140.3,126.7 140.3,127.3 139.1,127.3 139.1,126.7
  region net NetC12_U_integrated_driver_and_current_sense5_1: 140.7,126.7 140.7,127.3 141.9,127.3 141.9,126.7
  region net NetC12_U_integrated_driver_and_current_sense5_1: 143.6,119.85 143.6,126.7 140.7,126.7 140.7,123.2 142.2,123.2 142.2,119.85
  region net NetC14_U_integrated_driver_and_current_sense4_1: 116.3,121.4 116.3,119.8 116.825,119.275 117.2,119.275 117.2,121.4
  region net NetC13_U_integrated_driver_and_current_sense4_1: 117.4,119.85 117.4,126.7 120.3,126.7 120.3,123.2 118.8,123.2 118.8,119.85
  region net NetC11_U_integrated_driver_and_current_sense4_1: 124.6,121.4 124.6,119.7 124.175,119.275 123.8,119.275 123.8,121.4
  region net NetC13_U_integrated_driver_and_current_sense4_1: 120.3,126.7 120.3,127.3 119.1,127.3 119.1,126.7
  region net NetC12_U_integrated_driver_and_current_sense4_1: 120.7,126.7 120.7,127.3 121.9,127.3 121.9,126.7
  region net NetC12_U_integrated_driver_and_current_sense4_1: 123.6,119.85 123.6,126.7 120.7,126.7 120.7,123.2 122.2,123.2 122.2,119.85
  region net NetC14_U_integrated_driver_and_current_sense3_1: 96.3,121.4 96.3,119.8 96.825,119.275 97.2,119.275 97.2,121.4
  region net NetC13_U_integrated_driver_and_current_sense3_1: 97.4,119.85 97.4,126.7 100.3,126.7 100.3,123.2 98.8,123.2 98.8,119.85
  region net NetC11_U_integrated_driver_and_current_sense3_1: 104.6,121.4 104.6,119.7 104.175,119.275 103.8,119.275 103.8,121.4
  region net NetC13_U_integrated_driver_and_current_sense3_1: 100.3,126.7 100.3,127.3 99.1,127.3 99.1,126.7
  region net NetC12_U_integrated_driver_and_current_sense3_1: 100.7,126.7 100.7,127.3 101.9,127.3 101.9,126.7
  region net NetC12_U_integrated_driver_and_current_sense3_1: 103.6,119.85 103.6,126.7 100.7,126.7 100.7,123.2 102.2,123.2 102.2,119.85
  region net NetC14_U_integrated_driver_and_current_sense2_1: 76.3,121.4 76.3,119.8 76.825,119.275 77.2,119.275 77.2,121.4
  region net NetC13_U_integrated_driver_and_current_sense2_1: 77.4,119.85 77.4,126.7 80.3,126.7 80.3,123.2 78.8,123.2 78.8,119.85
  region net NetC11_U_integrated_driver_and_current_sense2_1: 84.6,121.4 84.6,119.7 84.175,119.275 83.8,119.275 83.8,121.4
  region net NetC13_U_integrated_driver_and_current_sense2_1: 80.3,126.7 80.3,127.3 79.1,127.3 79.1,126.7
  region net NetC12_U_integrated_driver_and_current_sense2_1: 80.7,126.7 80.7,127.3 81.9,127.3 81.9,126.7
  region net NetC12_U_integrated_driver_and_current_sense2_1: 83.6,119.85 83.6,126.7 80.7,126.7 80.7,123.2 82.2,123.2 82.2,119.85
  region net GND: 52.5,116.6 68.5,116.6 68.5,112 52.5,112
  region net NetC12_U_integrated_driver_and_current_sense1_1: 63.6,119.85 63.6,126.7 60.7,126.7 60.7,123.2 62.2,123.2 62.2,119.85
  region net NetC12_U_integrated_driver_and_current_sense1_1: 60.7,126.7 60.7,127.3 61.9,127.3 61.9,126.7
  region net NetC13_U_integrated_driver_and_current_sense1_1: 60.3,126.7 60.3,127.3 59.1,127.3 59.1,126.7
  region net NetC11_U_integrated_driver_and_current_sense1_1: 64.6,121.4 64.6,119.7 64.175,119.275 63.8,119.275 63.8,121.4
  region net NetC13_U_integrated_driver_and_current_sense1_1: 57.4,119.85 57.4,126.7 60.3,126.7 60.3,123.2 58.8,123.2 58.8,119.85
  region net VM: 55.55,119.75 55.55,118.85 56.525,118.85 56.55,118.875 56.55,119.225 56.025,119.75
  region net NetC14_U_integrated_driver_and_current_sense1_1: 56.3,121.4 56.3,119.8 56.825,119.275 57.2,119.275 57.2,121.4
Ground Plane (plane layer: these items are gaps in the copper):
  lines w0.5: 50.5,93.1 50.5,107.5 53.75,107.5 55.9,105.35 55.9,93.1 ; 65.1,93.1 65.1,105.35 67.25,107.5 70.5,107.5 73.75,107.5 75.9,105.35 75.9,93.1 ; 85.1,93.1 85.1,105.35 87.25,107.5 90.5,107.5 93.75,107.5 95.9,105.35 95.9,93.1 ; 105.1,93.1 105.1,105.35 107.25,107.5 110.5,107.5 113.75,107.5 115.9,105.35 115.9,93.1 ; 125.1,93.1 125.1,105.35 127.25,107.5 130.5,107.5 133.75,107.5 135.9,105.35 135.9,93.1 ; 145.1,93.1 145.1,105.35 147.25,107.5 150.5,107.5 150.5,102.3 155.9,96.9 155.9,93.1 ; 146.9,183.1 152.7,183.1 152.7,184.8 148.1,184.8 148.1,192.5 148.4,192.5 160.5,192.5 160.5,196.6 146.9,196.6 146.9,183.1
Power Plane (plane layer: these items are gaps in the copper):
  lines w0.5: 44,91.2 168,91.2 ; 44,107.5 168,107.5 ; 44,111 52.5,111 52.5,121 54.5,121 54.5,111 66.5,111 66.5,121 68.5,121 68.5,111 72.5,111 72.5,121 74.5,121 74.5,111 86.5,111 86.5,121 88.5,121 88.5,111 92.5,111 92.5,121 94.5,121 94.5,111 106.5,111 106.5,121 108.5,121 108.5,111 112.5,111 112.5,121 114.5,121 114.5,111 126.5,111 126.5,121 128.5,121 128.5,111 132.5,111 132.5,121 134.5,121 134.5,111 146.5,111 146.5,121 148.5,121 148.5,111 168,111

## Silkscreen, mask and mechanical layers (free items; w line width, h text height)
Top Overlay:
  drawing of 490 lines, arcs and shapes, not listed
  text "PSM LVDS" at 91.86,189.63 h5 r180
  text "PSM MOTOR" at 142.37,189.63 h5 r180
  text "dVRK S PWM Amplifier / Johns Hopkins University" at 44.375,138.875 h3.5 r270
  text "GND 12V" at 160.5,138 h2 r90
  text "12V" at 165,135 h1.5 r90
  text "POWER IN" at 156.5,117 h5 r90
  text "48V 48V GND GND" at 160.5,117 h2 r90
  text "48V" at 165,114.043 h1.5 r90
  text "v1.1 2018-06" at 44.5,105.95 h1.5 r270
  text "4.5V" at 165,104 h1.5 r90
  text "Brake 2" at 59.7,101 h1.5 r90
  text "Brake 1" at 62.7,101 h1.5 r90
  text "Motor 5" at 79.7,101 h1.5 r90
  text "Motor 1" at 82.7,101 h1.5 r90
  text "Motor 6" at 99.7,101 h1.5 r90
  text "Motor 2" at 102.7,101 h1.5 r90
  text "Motor 7" at 119.7,101 h1.5 r90
  text "Motor 3" at 122.7,101 h1.5 r90
  text "Motor 4" at 139.7,101 h1.5 r90
  text "Brake 3" at 142.7,101 h1.5 r90
  text "1.8V" at 165,100.543 h1.5 r90
  text "Current" at 86.1,96.6 h1.5 r90
  text "PWM2P" at 78.6,94.3 h1.5 r90
  text "PWM2N" at 80.6,94.3 h1.5 r90
  text "nFAULT" at 83.8,92.8 h1.5 r90
  text "PWM1P" at 81.2,87.7 h1.5 r90
  text "PWM1N" at 83.1,87.7 h1.5 r90
  text "nOTW" at 84.4,87.7 h1.5 r90
  text "RDAT" at 47.1,82.6 h1.5 r90
  text "RCLK" at 49.7,82.6 h1.5 r90
  text "SAFETY CHAIN" at 167.5,77.3 h2 r90
  text "SW" at 161.4,65.8 h1.5 r90
  text "TCLK" at 47.1,65 h1.5 r90
  text "TDAT" at 49.7,65 h1.5 r90
  text "NC COM NO" at 161.4,47.5 h1.5 r90
  text "NC COM NO" at 161.4,38.6 h1.5 r90
  text "POWER SUPPLY ENABLE" at 167.5,32.2 h2 r90
Bottom Overlay:
  drawing of 105 lines, arcs and shapes, not listed

## Text inside footprints (layer, text, board x,y; h text height)
C42: Top Overlay "+" at 69.7,130 h1.5 r270
C43: Top Overlay "+" at 89.7,130 h1.5 r270
C44: Top Overlay "+" at 109.7,130 h1.5 r270
C45: Top Overlay "+" at 129.7,130 h1.5 r270
FPGA1: Top Overlay "5" at 146.476,39.32 h0.81 r90; Top Overlay "15" at 146.476,48.972 h0.81 r90; Top Overlay "25" at 146.476,58.878 h0.81 r90; Top Overlay "10" at 150.794,43.892 h0.81 r270; Top Overlay "20" at 150.794,54.052 h0.81 r270; Top Overlay "30" at 150.794,64.085 h0.81 r270; Top Overlay "40" at 150.794,73.991 h0.81 r270; Top Overlay "2" at 150.794,35.764 h0.81 r270; Top Overlay "1" at 146.222,35.256 h0.81 r90; Top Overlay "2" at 56.814,35.764 h0.81 r270; Top Overlay "40" at 56.751,74.118 h0.71 r270; Top Overlay "30" at 56.814,64.085 h0.81 r270; Top Overlay "20" at 56.814,54.052 h0.81 r270; Top Overlay "1" at 52.242,35.256 h0.81 r90; Top Overlay "35" at 52.496,68.911 h0.81 r90; Top Overlay "25" at 52.496,58.878 h0.81 r90; Top Overlay "15" at 52.496,48.972 h0.81 r90; Top Overlay "5" at 52.496,39.32 h0.81 r90; Top Overlay "10" at 56.814,44.052 h0.81 r270; Top Overlay "43" at 146.476,76.849 h0.81 r90; Top Overlay "44" at 150.794,78.182 h0.81 r270; Top Overlay "44" at 56.751,78.182 h0.81 r270; Top Overlay "43" at 52.496,76.849 h0.81 r90; Top Overlay "J1" at 145.43,34.03 h1 r180; Top Overlay "J2" at 51.93,33.53 h1 r180; Bottom Overlay "J1" at 144.43,34.03 h1 r180; Bottom Overlay "J2" at 50.93,33.53 h1 r180
J1: Top Overlay "15" at 83.66,197.7 h0.8 r180
J8: Top Overlay "26" at 132.66,197.7 h0.8 r180
J9: Top Overlay "1" at 50.1,33.4 h0.5 r90; Top Overlay "2" at 45.6,33.2 h0.5 r90; Top Overlay "11" at 50,50 h0.5 r90; Top Overlay "12" at 45.4,50 h0.5 r90